# KiCad board SHVC-CPU-01.kicad_pcb (continued)
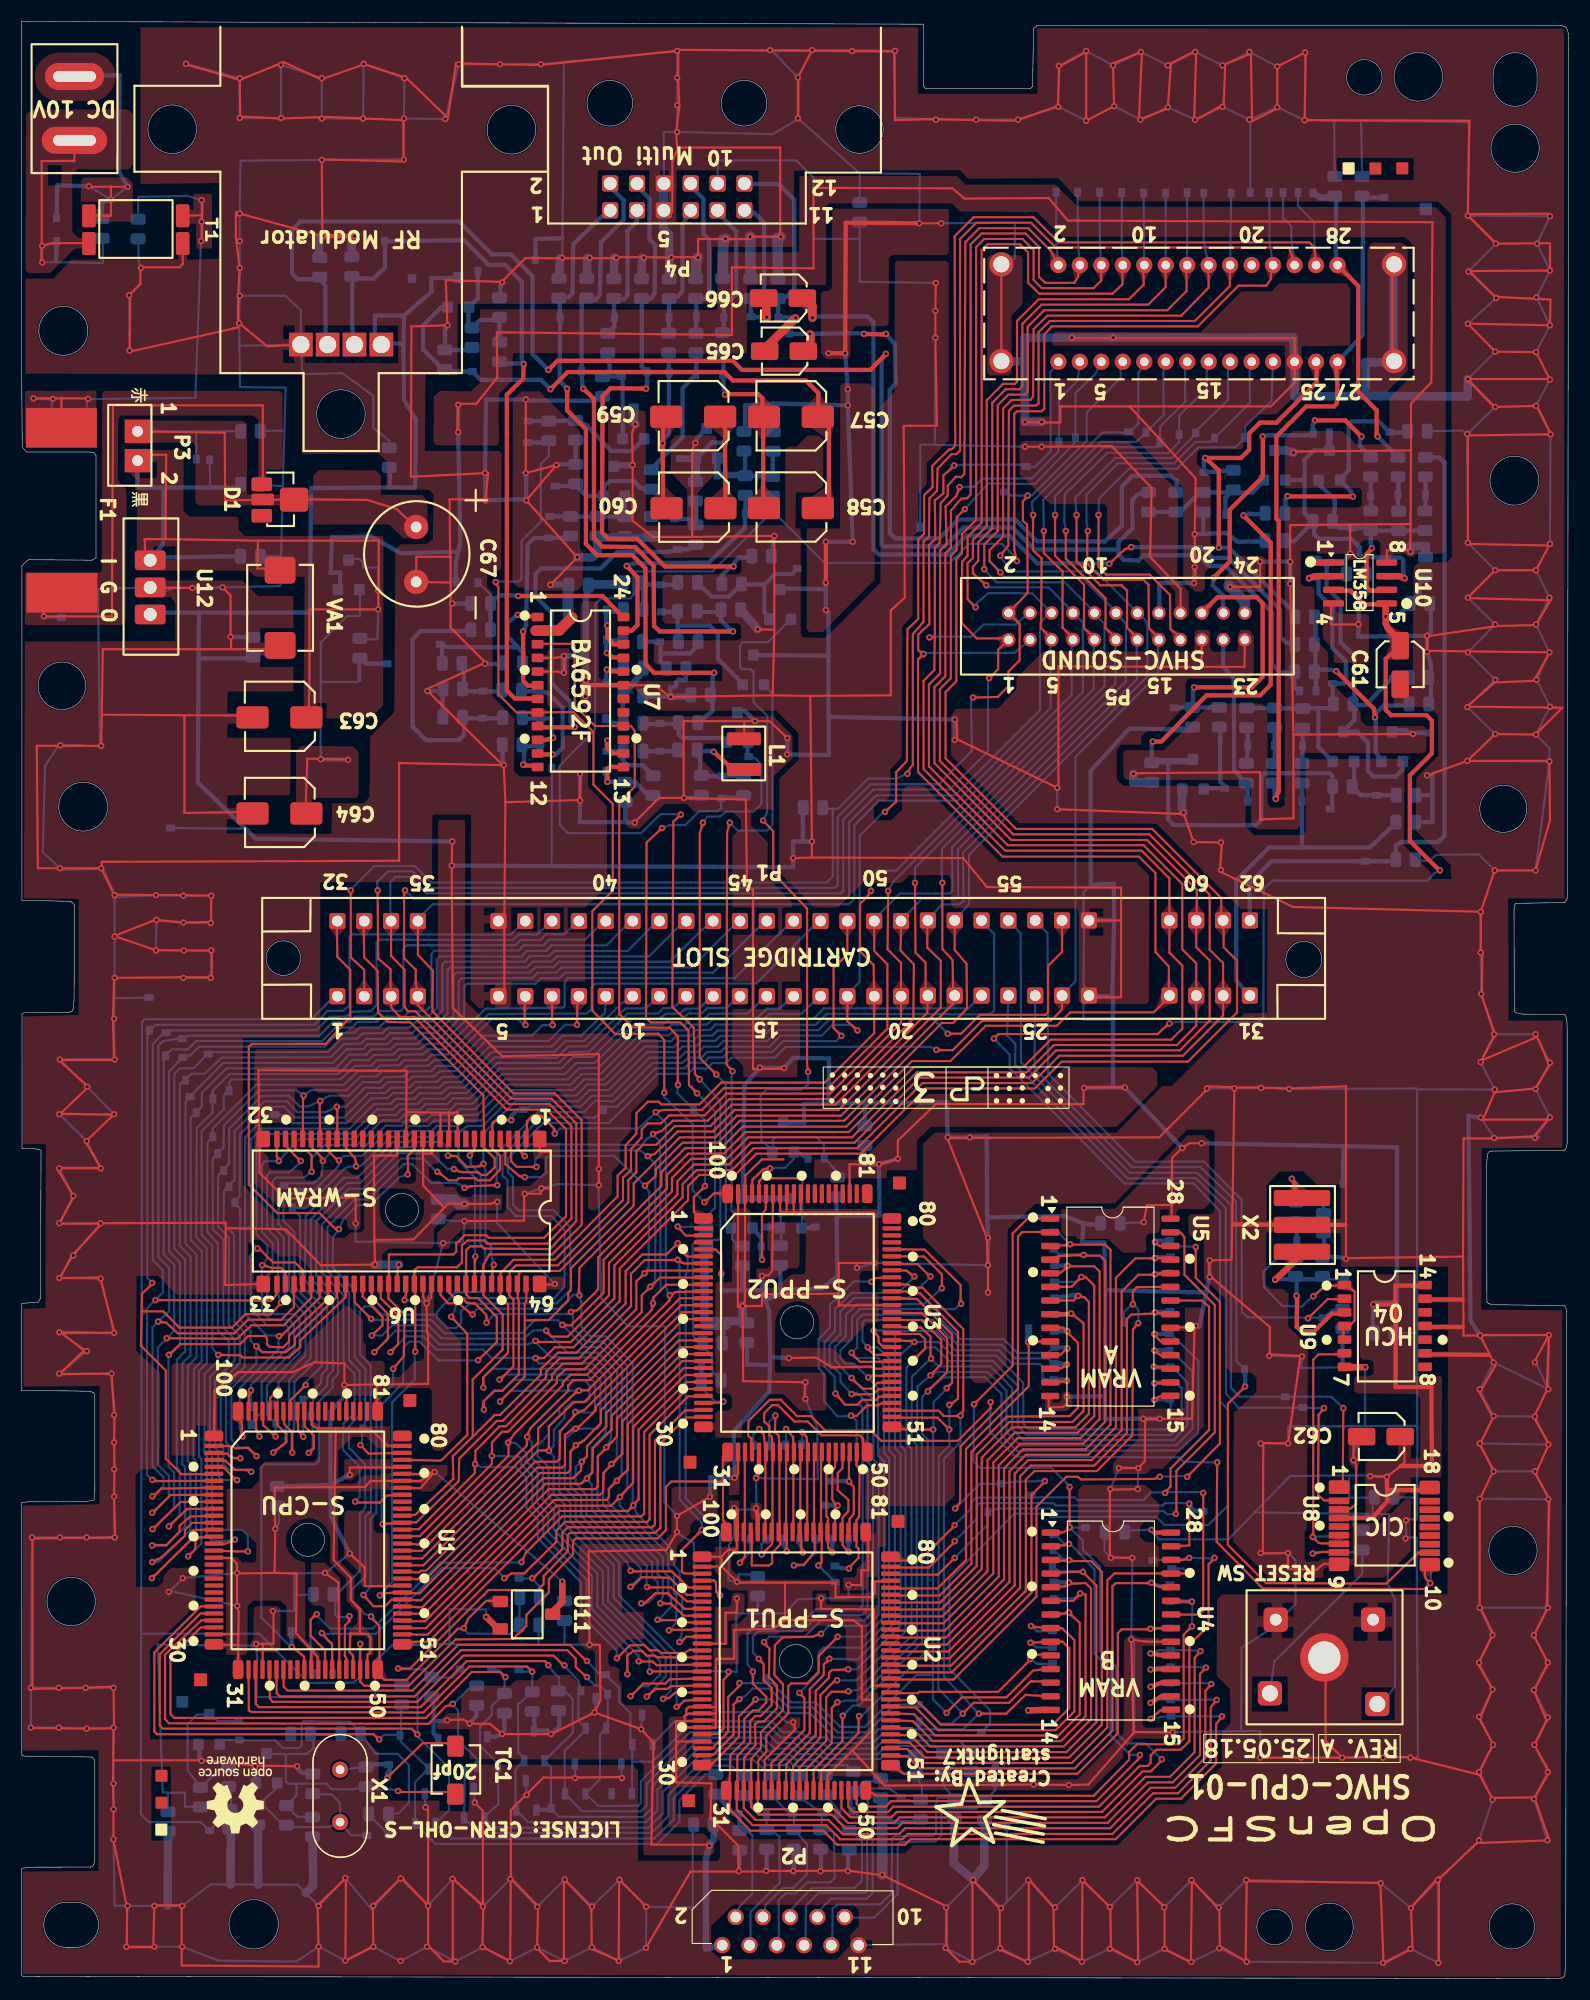
[diagram p0: board, top side]
## Placement (name value [footprint] x y rotation side) (continued)
TP170  TestPoint_Small  [TestPad]  105.41 38.99 0 bottom
TP171  TestPoint_Small  [TestPad]  107.19 38.22 0 bottom
TP172  TestPoint_Small  [TestPad]  107.01 36.72 0 bottom
TP173  TestPoint_Small  [TestPad]  107.06 35.17 0 bottom
TP174  TestPoint_Small  [TestPad]  107.01 32.67 0 bottom
TP175  TestPoint_Small  [TestPad]  107.06 30.62 0 bottom
TP176  TestPoint_Small  [TestPad]  107.06 29.07 0 bottom
TP177  TestPoint_Small  [TestPad]  107.06 27.57 0 bottom
TP178  TestPoint_Small  [TestPad]  107.06 26.02 0 bottom
TP179  TestPoint_Small  [TestPad]  107.11 24.47 0 bottom
TP180  TestPoint_Small  [TestPad]  99.16 42.03 0 bottom
TP181  TestPoint_Small  [TestPad]  96.13 41.38 270 bottom
TP182  TestPoint_Small  [TestPad]  96.13 39.88 270 bottom
TP183  TestPoint_Small  [TestPad]  96.08 38.33 270 bottom
TP184  TestPoint_Small  [TestPad]  96.21 36.97 0 bottom
TP185  TestPoint_Small  [TestPad]  96.21 35.42 0 bottom
TP186  TestPoint_Small  [TestPad]  96.16 33.92 0 bottom
TP187  TestPoint_Small  [TestPad]  96.06 32.42 0 bottom
TP188  TestPoint_Small  [TestPad]  96.06 30.87 0 bottom
TP189  TestPoint_Small  [TestPad]  96.06 29.37 0 bottom
TP190  TestPoint_Small  [TestPad]  91.28 46.11 0 bottom
TP191  TestPoint_Small  [TestPad]  94.07 45.07 0 bottom
TP192  TestPoint_Small  [TestPad]  90.08 43.4 270 bottom
TP193  TestPoint_Small  [TestPad]  110.08 43.56 0 bottom
TP194  TestPoint_Small  [TestPad]  122.83 39.73 0 bottom
TP195  TestPoint_Small  [TestPad]  122.77 41.22 0 bottom
TP196  TestPoint_Small  [TestPad]  67.93 40.88 270 bottom
TP197  TestPoint_Small  [TestPad]  69.48 40.88 270 bottom
TP198  TestPoint_Small  [TestPad]  70.98 40.88 270 bottom
TP199  TestPoint_Small  [TestPad]  72.53 40.88 270 bottom
TP200  TestPoint_Small  [TestPad]  74.03 40.88 270 bottom
TP201  TestPoint_Small  [TestPad]  75.58 40.88 270 bottom
TP202  TestPoint_Small  [TestPad]  77.08 40.88 270 bottom
TP203  TestPoint_Small  [TestPad]  75.81 38.47 0 bottom
TP204  TestPoint_Small  [TestPad]  75.81 36.97 0 bottom
TP205  TestPoint_Small  [TestPad]  74.86 44.12 0 bottom
TP206  TestPoint_Small  [TestPad]  75.51 46.37 0 bottom
TP207  TestPoint_Small  [TestPad]  77.43 15.56 270 bottom
TP208  TestPoint_Small  [TestPad]  81.98 16.91 0 bottom
TP209  TestPoint_Small  [TestPad]  90.78 19.81 270 bottom
TP210  TestPoint_Small  [TestPad]  90.78 18.21 270 bottom
TP211  TestPoint_Small  [TestPad]  46.38 28.81 0 bottom
TP212  TestPoint_Small  [TestPad]  40.83 28.76 180 bottom
TP213  TestPoint_Small  [TestPad]  46.38 37.31 0 bottom
TP214  TestPoint_Small  [TestPad]  20.28 24.06 0 bottom
TP215  TestPoint_Small  [TestPad]  20.33 22.26 0 bottom
TP216  TestPoint_Small  [TestPad]  89.46 22.97 0 bottom
TP217  TestPoint_Small  [TestPad]  29.03 28.33 270 bottom
TP218  TestPoint_Small  [TestPad]  27.48 28.33 270 bottom
TP219  TestPoint_Small  [TestPad]  25.18 32.28 270 bottom
TP220  TestPoint_Small  [TestPad]  17.88 78.33 270 bottom
TP221  TestPoint_Small  [TestPad]  18.33 76.76 270 bottom
TP222  TestPoint_Small  [TestPad]  18.88 75.18 270 bottom
TP223  TestPoint_Small  [TestPad]  19.38 73.68 270 bottom
TP224  TestPoint_Small  [TestPad]  19.93 72.23 270 bottom
TP225  TestPoint_Small  [TestPad]  23.62 80.49 0 bottom
TP226  TestPoint_Small  [TestPad]  21.4 53.18 270 bottom
TP227  TestPoint_Small  [TestPad]  21.44 51.55 270 bottom
TP228  TestPoint_Small  [TestPad]  23.74 53.38 270 bottom
TP229  TestPoint_Small  [TestPad]  23.76 51.7 270 bottom
TP230  TestPoint_Small  [TestPad]  24.49 73.88 0 bottom
TP231  TestPoint_Small  [TestPad]  25.98 73.35 0 bottom
TP232  TestPoint_Small  [TestPad]  25.27 71.71 270 bottom
TP233  TestPoint_Small  [TestPad]  26.28 53.83 270 bottom
TP234  TestPoint_Small  [TestPad]  27.03 52.35 270 bottom
TP235  TestPoint_Small  [TestPad]  3.33 161.69 270 bottom
TP236  TestPoint_Small  [TestPad]  3.33 163.9 270 bottom
TP237  TestPoint_Small  [TestPad]  16.34 141.43 270 bottom
TP238  TestPoint_Small  [TestPad]  17.59 141.35 270 bottom
TP239  TestPoint_Small  [TestPad]  3.78 126.76 0 bottom
TP240  TestPoint_Small  [TestPad]  83.68 23.86 270 bottom
TP241  TestPoint_Small  [TestPad]  83.58 25.56 0 bottom
TP242  TestPoint_Small  [TestPad]  38.98 124.16 180 bottom
TP243  TestPoint_Small  [TestPad]  13.91 107.17 0 bottom
TP244  TestPoint_Small  [TestPad]  49.46 112.65 270 bottom
TP245  TestPoint_Small  [TestPad]  131.18 38.66 90 bottom
TP246  TestPoint_Small  [TestPad]  69.44 27.9 270 bottom
TP247  TestPoint_Small  [TestPad]  71.53 153.18 0 bottom
TP248  TestPoint_Small  [TestPad]  46.78 80.96 0 bottom
TP249  TestPoint_Small  [TestPad]  54.28 80.86 270 bottom
TP250  TestPoint_Small  [TestPad]  67.48 136.32 270 bottom
TP251  TestPoint_Small  [TestPad]  31.85 51.16 270 bottom
TP252  TestPoint_Small  [TestPad]  83.77 135.09 270 bottom
TP253  TestPoint_Small  [TestPad]  91.83 14.17 270 bottom
U1  S-CPU  [QFP100]  26.9 40.81 0 top
U2  S-PPU1  [QFP100]  72.38 29.56 0 top
U3  S-PPU2  [QFP100]  72.5 61.06 0 top
U4  LH52A256N-10LL  [SRAM]  101.68 33.09 0 top
U5  LH52A256N-10LL  [SRAM]  101.63 62.31 0 top
U6  -  [S-WRAM]  35.8 72.84 0 top
U7  -  [BA6592F]  52.08 119.36 0 top
U8  F411  [CIC_F411]  127.27 42.95 0 top
U9  -  [74HCU04]  126.99 60.84 0 top
U10  LM358  [OpAmp]  124.89 130.17 0 top
U11  T529D  [ResetIC]  47.1 34.56 0 top
U12  L7805  [7805]  12.01 129.99 0 top
U15  Reset Switch  [ResetSW]  121.54 29.8 0 top
VA1  Varistor  [SMD_Varistor]  24.03 127.61 0 top
X1  21.47727Mhz  [Crystal_HC49-4H_Vertical]  29.68 14.56 90 top
X2  4mhz  [SMD_X2]  119.28 70.16 0 top

## Library data of the parts
C1-C56 C68-C70 C80-C96 = -: Description: Unpolarized capacitor; ki_fp_filters: C_*
C57-C67 = -: Description: Polarized capacitor; ki_fp_filters: CP_*
F1 = -: Description: Fuse; ki_fp_filters: *Fuse*
J1 = -: Description: DC Barrel Jack; ki_fp_filters: BarrelJack*
L1 = -: Description: Inductor; ki_fp_filters: Choke_* *Coil* Inductor_* L_*
P3 = -: Description: Generic connector, double row, 02x01, this symbol is compatible with counter-clockwise, top-bottom and odd-even numbering schemes., script generated (kicad-library-utils/schlib/autogen/connector/); ki_fp_filters: Connector*:*_2x??_*
Q1 Q2 Q9-Q18 = -: Description: NPN transistor, emitter/base/collector
Q3-Q8 = -: Description: PNP transistor, base/emitter/collector
R1-R98 R100 = -: Description: Resistor; ki_fp_filters: R_*
T1 = -: Description: Coupled inductor; ki_fp_filters: Choke_* *Coil* Inductor_* L_*
TC1 = -: Description: Trimmable capacitor
TP1-TP253 = -: Description: test point; ki_fp_filters: Pin* Test*
U12 = -: Description: Positive 1.5A 35V Linear Regulator, Fixed Output 5V, TO-220/TO-263/TO-252; ki_fp_filters: TO?252* TO?263* TO?220*
VA1 = -: Description: Voltage dependent resistor; Sim.Name: kicad_builtin_varistor; Sim.Device: SUBCKT; Sim.Pins: 1=A 2=B; Sim.Params: threshold=1k; ki_fp_filters: RV_* Varistor*
X1 = -: Description: Two pin crystal; ki_fp_filters: Crystal*
X2 = -: Description: Three pin crystal, GND on pin 3; ki_fp_filters: Crystal*

## Footprints (pads in the part's own frame, mm; a bottom-side part is the same pattern mirrored in y, then rotated)
74HCU04
  rrect 1.27x0.8 smd: 1(-3.75,3.717) 2(-3.75,2.447) 3(-3.75,1.177) 4(-3.75,-0.093) 5(-3.75,-1.363) 6(-3.75,-2.633) 7(-3.75,-3.903) 8(3.75,-3.903) 9(3.75,-2.633) 10(3.75,-1.363) 11(3.75,-0.093) 12(3.75,1.177) 13(3.75,2.447) 14(3.75,3.717)
7805
  rrect 2.861x1.826 hole 1.2: 1(-0.018,2.051) 2(-0.018,-0.485) 3(-0.018,-3)
BA6592F
  rrect 1.1x0.8 smd: 1(-4,7.397) 2(-4,6.127) 3(-4,4.857) 4(-4,3.587) 5(-4,2.317) 6(-4,1.047) 7(-4,-0.223) 8(-4,-1.493) 9(-4,-2.763) 10(-4,-4.033) 11(-4,-5.303) 12(-4,-6.573) 13(4,-6.573) 14(4,-5.303) 15(4,-4.033) 16(4,-2.763) 17(4,-1.493) 18(4,-0.223) 19(4,1.047) 20(4,2.317) 21(4,3.587) 22(4,4.857) 23(4,6.127) 24(4,7.397)
CartSlot
  rrect 1.5x1.5 hole 1: 1(-42.5,-3.5) 2(-40,-3.5) 3(-37.5,-3.5) 4(-35,-3.5) 5(-27.5,-3.5) 6(-25,-3.5) 7(-22.5,-3.5) 8(-20,-3.5) 9(-17.5,-3.5) 10(-15,-3.5) 11(-12.5,-3.5) 12(-10,-3.5) 13(-7.5,-3.5) 14(-5,-3.5) 15(-2.5,-3.5) 16(0,-3.5) 17(2.5,-3.5) 18(5,-3.5) 19(7.5,-3.5) 20(10,-3.5) 21(12.501,-3.441) 22(15.001,-3.441) 23(17.501,-3.441) 24(20.001,-3.441) 25(22.501,-3.441) 26(25.001,-3.441) 27(27.501,-3.441) 28(35.001,-3.441) 29(37.501,-3.441) 30(40.001,-3.441) 31(42.501,-3.441) 32(-42.5,3.5) 33(-40,3.5) 34(-37.5,3.5) 35(-35,3.5) 36(-27.5,3.5) 37(-25,3.5) 38(-22.5,3.5) 39(-20,3.5) 40(-17.5,3.5) 41(-15,3.5) 42(-12.5,3.5) 43(-10,3.5) 44(-7.5,3.5) 45(-5,3.5) 46(-2.5,3.5) 47(0,3.5) 48(2.5,3.5) 49(5,3.5) 50(7.5,3.5) 51(10,3.5) 52(12.501,3.559) 53(15.001,3.559) 54(17.501,3.559) 55(20.001,3.559) 56(22.501,3.559) 57(25.001,3.559) 58(27.501,3.559) 59(35.001,3.559) 60(37.501,3.559) 61(40.001,3.559) 62(42.501,3.559)
CIC_F411
  rrect 1.905x1.27 smd: 1(-4.548,2.793) 9(-4.548,-4.377) 10(3.902,-4.408) 18(3.902,2.762)
  rrect 1.905x0.63 smd: 2(-4.548,1.523) 3(-4.548,0.723) 4(-4.548,-0.077) 5(-4.548,-0.877) 6(-4.548,-1.677) 7(-4.548,-2.477) 8(-4.548,-3.277) 11(3.902,-3.308) 12(3.902,-2.508) 13(3.902,-1.708) 14(3.902,-0.908) 15(3.902,-0.108) 16(3.902,0.692) 17(3.902,1.492)
ControllerRibbon
  round 1.5 hole 1: 1(6.41,1.25) 2(5.164,-1.377) 3(3.87,1.25) 4(2.624,-1.377) 5(1.33,1.25) 6(0.084,-1.377) 7(-1.21,1.25) 8(-2.456,-1.377) 9(-3.75,1.25) 10(-4.996,-1.377) 11(-6.29,1.25)
Crystal_HC49-4H_Vertical
  round 1.5 hole 0.8: 1(0,0) 2(4.88,0)
D1
  rrect 1.905x1.27 smd: 1(-1.757,2.131) 3(-1.757,-0.796)
  rrect 2.097x1.082 smd: 2(-1.661,0.718)
  rrect 2.649x2.232 smd: 4(1.26,0.7)
DA_SOT
  rrect 0.603x1.059 smd: 1(0.906,-1.362) 2(-0.983,-1.362) 3(0,1.396)
DCJack
  oval 5.5x2.5 hole 4x1: 1(-0.25,3.25)
  oval 6.091x2.5 hole 4x1: 2(-0.25,-2.695)
ExpansionConnector
  round 1.5 hole 0.8: 1(-13.591,-4.365) 2(-13.591,4.635) 3(-11.591,-4.365) 4(-11.591,4.635) 5(-9.591,-4.365) 6(-9.591,4.635) 7(-7.591,-4.365) 8(-7.591,4.635) 9(-5.591,-4.365) 10(-5.591,4.635) 11(-3.591,-4.365) 12(-3.591,4.635) 13(-1.591,-4.365) 14(-1.591,4.635) 15(0.409,-4.365) 16(0.409,4.635) 17(2.409,-4.365) 18(2.409,4.635) 19(4.409,-4.365) 20(4.409,4.635) 21(6.409,-4.365) 22(6.409,4.635) 23(8.409,-4.365) 24(8.409,4.635) 25(10.409,-4.365) 26(10.409,4.635) 27(12.409,-4.365) 28(12.409,4.635)
  round 2.25 hole 1.5: 29(-18.904,4.707) 30(17.68,4.707) 31(17.68,-4.313) 32(-18.904,-4.313)
FilterCap
  round 2.25 hole 1: 1(-0.061,2.598) 2(-0.061,-2.517)
Fuse
  rect 6.607x3.699 smd: 1(-0.054,7.349) 2(0,-8.015)
L1
  rrect 3.182x1.206 smd: 1(-0.091,1.103) 2(-0.091,-1.75)
MultiOut
  rrect 1.5x1.5 hole 1.2: 1(-5.721,-7.769) 2(-5.721,-5.269) 3(-3.221,-7.769) 4(-3.221,-5.269) 5(-0.721,-7.769) 6(-0.721,-5.269) 7(1.779,-7.769) 8(1.779,-5.269) 9(4.279,-7.769) 10(4.279,-5.269) 11(6.779,-7.769) 12(6.779,-5.269)
OpAmp
  rrect 1.95x0.6 smd: 1(-2.675,1.655) 2(-2.675,0.385) 3(-2.675,-0.885) 4(-2.675,-2.155) 5(2.275,-2.155) 6(2.275,-0.885) 7(2.275,0.385) 8(2.275,1.655)
PowerSwitchConnector
  rect 2.377x2.166 hole 1: 1(0.313,1.945) 2(0.313,-0.78)
Q_SOT_NPM_BEC
  rrect 1x1.059 smd: 1(-1,-1.362) 2(1,-1.362) 3(0,1.396)
Q_SOT_NPM_BEC_Alt
  rrect 1x1.059 smd: 1(1,-1.362) 2(-1,-1.362) 3(0,1.396)
Q_SOT_PNP_EBC
  rrect 1x1.059 smd: 1(1,-1.362) 2(-1,-1.362) 3(0,1.396)
QFP100
  rrect 1.75x1 smd: 1(-8.975,9.7) 30(-8.975,-9.7) 51(8.575,-9.7) 80(8.575,9.7)
  rrect 1.75x0.4 smd: 2(-8.975,8.775) 3(-8.975,8.125) 4(-8.975,7.475) 5(-8.975,6.825) 6(-8.975,6.175) 7(-8.975,5.525) 8(-8.975,4.875) 9(-8.975,4.225) 10(-8.975,3.575) 11(-8.975,2.925) 12(-8.975,2.275) 13(-8.975,1.625) 14(-8.975,0.975) 15(-8.975,0.325) 16(-8.975,-0.325) 17(-8.975,-0.975) 18(-8.975,-1.625) 19(-8.975,-2.275) 20(-8.975,-2.925) 21(-8.975,-3.575) 22(-8.975,-4.225) 23(-8.975,-4.875) 24(-8.975,-5.525) 25(-8.975,-6.175) 26(-8.975,-6.825) 27(-8.975,-7.475) 28(-8.975,-8.125) 29(-8.975,-8.775) 52(8.575,-8.775) 53(8.575,-8.125) 54(8.575,-7.475) 55(8.575,-6.825) 56(8.575,-6.175) 57(8.575,-5.525) 58(8.575,-4.875) 59(8.575,-4.225) 60(8.575,-3.575) 61(8.575,-2.925) 62(8.575,-2.275) 63(8.575,-1.625) 64(8.575,-0.975) 65(8.575,-0.325) 66(8.575,0.325) 67(8.575,0.975) 68(8.575,1.625) 69(8.575,2.275) 70(8.575,2.925) 71(8.575,3.575) 72(8.575,4.225) 73(8.575,4.875) 74(8.575,5.525) 75(8.575,6.175) 76(8.575,6.825) 77(8.575,7.475) 78(8.575,8.125) 79(8.575,8.775)
  rrect 1x1.75 smd: 31(-6.725,-12.05) 50(6.275,-12.05) 81(6.275,12) 100(-6.725,12)
  rrect 0.4x1.75 smd: 32(-5.75,-12.05) 33(-5.1,-12.05) 34(-4.45,-12.05) 35(-3.8,-12.05) 36(-3.15,-12.05) 37(-2.5,-12.05) 38(-1.85,-12.05) 39(-1.2,-12.05) 40(-0.55,-12.05) 41(0.1,-12.05) 42(0.75,-12.05) 43(1.4,-12.05) 44(2.05,-12.05) 45(2.7,-12.05) 46(3.35,-12.05) 47(4,-12.05) 48(4.65,-12.05) 49(5.3,-12.05) 82(5.3,12) 83(4.65,12) 84(4,12) 85(3.35,12) 86(2.7,12) 87(2.05,12) 88(1.4,12) 89(0.75,12) 90(0.1,12) 91(-0.55,12) 92(-1.2,12) 93(-1.85,12) 94(-2.5,12) 95(-3.15,12) 96(-3.8,12) 97(-4.45,12) 98(-5.1,12) 99(-5.75,12)
ResetIC
  rrect 1.439x1.067 smd: 1(-2.49,0.543) 2(-2.5,-2) 3(2.376,-0.644)
ResetSW
  rrect 2.25x2.25 hole 1.1: 1(-4.711,3.611) 2(4.359,3.611)
  rrect 2.25x2.25 hole 1.5: 3(4.75,-4.25) 4(-5.25,-3.25)
  round 4.5 hole 3: 5(-0.178,0.085)
RFOutput
  rect 2.2x2.2 hole 1.6: 1(-3.758,-9.843) 2(-1.258,-9.843) 3(1.242,-9.843) 4(3.742,-9.843)
S-WRAM
  rrect 1.27x1.548 smd: 1(12.462,5.326) 32(-13.278,5.326) 33(-13.278,-8.174) 64(12.462,-8.174)
  rrect 0.5x1.548 smd: 2(11.192,5.326) 3(10.392,5.326) 4(9.592,5.326) 5(8.792,5.326) 6(7.992,5.326) 7(7.192,5.326) 8(6.392,5.326) 9(5.592,5.326) 10(4.792,5.326) 11(3.992,5.326) 12(3.192,5.326) 13(2.392,5.326) 14(1.592,5.326) 15(0.792,5.326) 16(-0.008,5.326) 17(-0.808,5.326) 18(-1.608,5.326) 19(-2.408,5.326) 20(-3.208,5.326) 21(-4.008,5.326) 22(-4.808,5.326) 23(-5.608,5.326) 24(-6.408,5.326) 25(-7.208,5.326) 26(-8.008,5.326) 27(-8.808,5.326) 28(-9.608,5.326) 29(-10.408,5.326) 30(-11.208,5.326) 31(-12.008,5.326) 34(-12.008,-8.174) 35(-11.208,-8.174) 36(-10.408,-8.174) 37(-9.608,-8.174) 38(-8.808,-8.174) 39(-8.008,-8.174) 40(-7.208,-8.174) 41(-6.408,-8.174) 42(-5.608,-8.174) 43(-4.808,-8.174) 44(-4.008,-8.174) 45(-3.208,-8.174) 46(-2.408,-8.174) 47(-1.608,-8.174) 48(-0.808,-8.174) 49(-0.008,-8.174) 50(0.792,-8.174) 51(1.592,-8.174) 52(2.392,-8.174) 53(3.192,-8.174) 54(3.992,-8.174) 55(4.792,-8.174) 56(5.592,-8.174) 57(6.392,-8.174) 58(7.192,-8.174) 59(7.992,-8.174) 60(8.792,-8.174) 61(9.592,-8.174) 62(10.392,-8.174) 63(11.192,-8.174)
SHVC-SOUND-MB
  round 1.25 hole 0.8: 1(-9.81,-0.76) 2(-9.81,1.74) 3(-7.81,-0.76) 4(-7.81,1.74) 5(-5.81,-0.76) 6(-5.81,1.74) 7(-3.81,-0.76) 8(-3.81,1.74) 9(-1.81,-0.76) 10(-1.81,1.74) 11(0.19,-0.76) 12(0.19,1.74) 13(2.19,-0.76) 14(2.19,1.74) 15(4.19,-0.76) 16(4.19,1.74) 17(6.19,-0.76) 18(6.19,1.74) 19(8.19,-0.76) 20(8.19,1.74) 21(10.19,-0.76) 22(10.19,1.74) 23(12.19,-0.76) 24(12.19,1.74)
SMD-Cap-M
  rrect 3.001x2.077 smd: 1(2.198,0.639) 2(-2.82,0.639)
SMD-Cap-S
  rrect 2.561x1.628 smd: 1(1.871,0.051) 2(-1.72,0.051)
SMD_0805
  rrect 1.025x1.4 smd: 1(-0.912,0) 2(0.912,0)
SMD_Varistor
  rrect 2.875x2.5 smd: 1(0.062,3.5) 2(0.062,-3.5)
SMD_X2
  rrect 5.25x1.5 smd: 1(0,-2.5) 2(0,2.5) 3(0,0)
SRAM
  rrect 1.7x0.6 smd: 1(-5.8,8.425) 2(-5.8,7.155) 3(-5.8,5.885) 4(-5.8,4.615) 5(-5.8,3.345) 6(-5.8,2.075) 7(-5.8,0.805) 8(-5.8,-0.465) 9(-5.8,-1.735) 10(-5.8,-3.005) 11(-5.8,-4.277) 12(-5.8,-5.545) 13(-5.8,-6.815) 14(-5.8,-8.085) 15(5.4,-8.057) 16(5.4,-6.815) 17(5.4,-5.545) 18(5.4,-4.277) 19(5.4,-3.005) 20(5.4,-1.735) 21(5.4,-0.465) 22(5.4,0.805) 23(5.4,2.075) 24(5.4,3.345) 25(5.4,4.615) 26(5.4,5.885) 27(5.4,7.155) 28(5.4,8.425)
T1
  rrect 1.271x2.142 smd: 1(-4.619,1.167) 2(-4.619,-1.411) 3(4.117,1.167) 4(4.117,-1.411)
TestPad
  rrect 0.839x0.657 smd: 1(-0.033,0.056)
TrimmerCap
  rrect 1.542x1.966 smd: 1(-0.052,2.171) 2(-0.058,-2.297)

## Nets
+5V: C29.2 C62.1 C81.1 C82.1 C83.1 C84.1 C85.2 C86.1 C87.1 C88.2 C89.2 C90.1 C91.2 C92.2 C93.1 C94.2 C95.2 C96.1 DA6.3 DA7.3 DA8.3 DA9.3 DA10.3 P1.27 P1.58 P2.1 P4.10 P5.18 P6.20 P7.4 Q9.3 Q10.3 Q11.3 Q12.3 R3.2 R5.2 R7.1 R9.2 R11.1 R12.1 R14.1 R16.1 R17.1 R19.1 R21.2 R47.1 R75.2 R77.2 R78.1 R79.1 R80.1 R81.1 R82.1 R92.1 R97.1 TP146.1 TP243.1 TP244.1 TP252.1 U1.1 U1.34 U1.45 U1.59 U1.76 U1.81 U1.85 U2.13 U2.26 U2.36 U2.62 U2.81 U3.5 U3.32 U3.59 U3.83 U3.94 U4.28 U5.28 U6.1 U6.10 U6.11 U6.12 U6.16 U6.32 U6.49 U6.51 U6.52 U7.4 U7.5 U7.19 U8.4 U8.18 U9.14 U11.2 U12.3 U15.3
+9V: C80.1 P5.24 Q16.3 Q17.3 Q18.1 R49.1 R50.2 TP64.1 TP71.1 U10.8
+9VF: C32.2 C67.1 D1.2 D1.4 P3.1 TP237.1
+9VS: C33.2 C34.2 C63.1 P3.2 Q18.3 R76.2 TP238.1 U12.1 VA1.1
+10V: C31.1 F1.1 T1.3
+10VF: D1.1 F1.2 TP239.1
GND: C1.1 C3.2 C5.2 C10.1 C11.1 C12.2 C13.2 C15.2 C17.1 C19.2 C21.1 C22.1 C31.2 C32.1 C33.1 C34.1 C35.2 C36.2 C37.2 C38.2 C39.2 C40.2 C41.2 C42.2 C43.2 C44.1 C45.1 C46.1 C47.1 C48.1 C49.1 C50.1 C51.1 C52.1 C53.1 C54.1 C55.2 C56.1 C61.2 C63.2 C64.2 C67.2 C68.2 C69.1 C70.2 C80.2 C81.2 C82.2 C83.2 C84.2 C85.1 C86.2 C87.2 C88.1 C89.1 C90.2 C91.1 C92.1 C93.2 C94.1 C95.1 C96.2 DA1.3 DA2.3 DA3.3 DA4.3 DA5.3 L1.1 P1.5 P1.36 P2.11 P4.5 P4.6 P5.16 P5.19 P5.23 P6.23 P6.29 P6.30 P6.31 P6.32 P7.1 Q1.2 Q2.2 Q3.3 Q4.3 Q5.3 Q6.3 Q7.3 Q8.3 Q13.1 R2.2 R23.2 R24.2 R26.2 R31.1 R32.1 R34.2 R36.2 R39.1 R41.2 R44.2 R45.1 R51.1 R57.1 R58.2 R64.1 R65.1 R93.1 R94.1 R95.2 R96.2 T1.4 TP45.1 TP98.1 TP156.1 TP253.1 U1.18 U1.29 U1.30 U1.31 U1.41 U1.42 U1.47 U1.49 U1.73 U1.74 U1.75 U1.79 U1.90 U2.1 U2.2 U2.22 U2.23 U2.24 U2.25 U2.27 U2.45 U2.77 U2.96 U2.99 U3.16 U3.30 U3.35 U3.68 U3.90 U3.91 U3.92 U3.93 U3.98 U3.99 U4.14 U4.20 U5.14 U5.20 U6.13 U6.14 U6.17 U6.33 U6.48 U6.64 U7.2 U8.9 U9.7 U9.9 U9.11 U9.13 U10.4 U11.3 U12.2 U15.1 U15.2 U15.5 VA1.2 X2.3
A1: R72.2 R73.1 TP144.1 U9.1 U9.4 U9.5
A2: C56.2 R72.1 TP143.1 U9.3 X2.1
AB: C8.2 TP42.1 U7.22
AG: C7.2 TP41.1 U7.21
AR: C6.2 TP32.1 U7.20
AUD: C22.2 P7.2 R68.1 R71.2 TP67.1
B: C47.2 P4.4 R18.2 R19.2 TP22.1
BLA: R26.1 TP60.1 U7.12
BURST: TP120.1 U3.1 U7.3 U7.16
BY.I: C14.1 TP59.1 U7.10
BY.O: R34.1 R35.1 TP61.1 U7.24
C: C49.2 P4.8 R46.1 TP20.1
C57+: C57.1 C58.1 Q10.1 R32.2 TP53.1
C57-: C57.2 C58.2 R33.2 TP47.1
C59+: C59.1 C60.1 Q11.1 R40.1 TP40.1
C59-: C59.2 C60.2 R42.2 TP49.1
C61: C61.1 DA6.2 R50.1 R51.2 TP216.1 U10.3 U10.5
C62: C62.2 TP150.1 U8.3
C65: C65.1 R67.1 TP247.1
C66: C66.1 R70.2 TP97.1
C68: C68.1 P6.22 R98.2 R100.2 TP155.1
C69: C69.2 R29.1 TP25.1 U3.3
C.A0: P1.17 TP232.1 U1.93 U6.23
C.A1: P1.16 TP231.1 U1.94 U6.25
C.A2: P1.15 TP230.1 U1.95 U6.27
C.A3: P1.14 TP228.1 U1.96 U6.29
C.A4: P1.13 TP229.1 U1.97 U6.31
C.A5: P1.12 TP227.1 U1.98 U6.35
C.A6: P1.11 TP226.1 U1.99 U6.37
C.A7: P1.10 TP225.1 U1.100 U6.39
C.A8: P1.9 TP224.1 U1.2 U6.41
C.A9: P1.8 TP223.1 U1.3 U6.24
C.A10: P1.7 TP222.1 U1.4 U6.26
C.A11: P1.6 TP221.1 U1.5 U6.28
C.A12: P1.37 TP99.1 U1.6 U6.30
C.A13: P1.38 TP100.1 U1.7 U6.34
C.A14: P1.39 TP101.1 U1.8 U6.36
C.A15: P1.40 TP102.1 U1.9 U6.38
C.A16: P1.41 TP103.1 U1.10 U6.40
C.A17: P1.42 TP104.1 U1.11
C.A18: P1.43 TP105.1 U1.12
C.A19: P1.44 TP106.1 U1.13
C.A20: P1.45 TP107.1 U1.14
C.A21: P1.46 TP108.1 U1.15
C.A22: P1.47 TP109.1 U1.16 U6.42
C.A23: P1.48 TP220.1 U1.17
C.CLK: C70.1 P1.56 TP142.1 U9.2
C.D0: P1.19 P5.7 P6.11 TP89.1 U1.60 U2.21 U3.15 U6.60
C.D1: P1.20 P5.8 P6.12 TP160.1 U1.61 U2.20 U3.14 U6.61
C.D2: P1.21 P5.9 P6.13 TP88.1 U1.62 U2.19 U3.13 U6.62
C.D3: P1.22 P5.10 P6.14 TP159.1 U1.63 U2.18 U3.12 U6.63
C.D4: P1.50 P5.11 P6.15 TP87.1 U1.64 U2.17 U3.11 U6.2
C.D5: P1.51 P5.12 P6.16 TP158.1 U1.65 U2.16 U3.10 U6.3
C.D6: P1.52 P5.13 P6.17 TP86.1 U1.66 U2.15 U3.9 U6.4
C.D7: P1.53 P5.14 P6.18 TP157.1 U1.67 U2.14 U3.8 U6.5
C.RD: P1.23 TP233.1 U1.92 U6.57
C.RW: P1.54 TP234.1 U1.91 U6.59
CHR.0: TP205.1 U2.85 U3.46
CHR.1: TP202.1 U2.84 U3.47
CHR.2: TP206.1 U2.83 U3.48
CHR.3: TP203.1 U2.82 U3.49
CI.D1: P1.24 TP147.1 U8.2
CI.D2: P1.55 TP148.1 U8.1
CI.RST: P1.25 TP149.1 U8.11
CLK: TP195.1 U8.7 U9.6
CLR0: TP199.1 U2.90 U3.41
CLR1: TP114.1 U2.89 U3.42
CLR2: TP200.1 U2.88 U3.43
CO: R43.2 TP63.1 U7.6
COMP: C50.2 P4.9 R33.1 TP19.1
CS: C46.2 P4.3 R25.1 TP31.1
CSYNC: R22.2 TP51.1 U3.100 U7.8
DC+: C30.1 J1.1 T1.1 TP236.1
DC-: C30.2 J1.2 T1.2 TP235.1
DCK: P5.17 P6.21 TP83.1
EXP: P1.2 P6.24 R97.2 TP154.1
EXT0: TP246.1 U2.28 U3.51 U3.69 U4.11
EXT1: TP241.1 U2.29 U3.52 U3.70 U4.12
EXT3: TP179.1 U2.31 U3.54 U3.72 U4.15
EXT4: TP178.1 U2.32 U3.55 U3.73 U4.16
EXT5: TP177.1 U2.33 U3.56 U3.74 U4.17
EXT6: TP176.1 U2.34 U3.57 U3.75 U4.18
EXT7: TP175.1 U2.35 U3.58 U3.76 U4.19
FIELD: TP111.1 U2.95 U3.36
G: C45.2 P4.2 R13.1 R14.2 TP43.1
HBLANK: TP218.1 U1.43 U3.25
HCLD: TP198.1 U2.92 U3.39
II1: Q15.1 R60.2 R61.2 R62.2 R63.2 TP69.1 U10.2
II2: Q14.1 R53.1 R54.1 R55.1 R56.2 TP96.1 U10.6
IRQ: P1.18 P6.26 R92.2 TP153.1 U1.46
J1.D0: DA3.1 DA8.1 R81.2 R87.1 TP211.1 U1.32
J1.D1: DA3.2 DA8.2 R82.2 R88.1 TP15.1 U1.33
J1.OE: DA2.1 DA7.1 R89.1 TP12.1 U1.35
J2.D0: DA4.1 DA9.1 R79.2 R85.1 TP10.1 U1.27
J2.D1: DA4.2 DA9.2 R80.2 R86.1 TP16.1 U1.28
J2.OE: DA2.2 DA7.2 R90.1 TP11.1 U1.36
J.D6: DA5.1 DA10.1 R77.1 R83.1 TP17.1 U1.25
J.D7: DA5.2 DA10.2 R78.2 R84.1 TP212.1 U1.26 U3.29
L1: C11.2 L1.2 R28.1 R29.2 TP24.1
LA: C51.2 C66.2 P4.11 TP18.1
MONO: P6.25 R66.1 R69.2 TP84.1
MUTE: P5.20 R47.2 R48.2 TP66.1
OUT0: DA1.2 DA6.1 R91.1 TP14.1 U1.37
OUT1: Q15.3 Q17.2 R63.1 R64.2 TP70.1 U10.1
OUT2: Q14.3 Q16.2 R56.1 R57.2 TP81.1 U10.7
OV: TP197.1 U2.94 U3.37 U3.50
P.CI: TP112.1 U2.93 U2.97 U3.38
P.CO: R98.1 TP117.1 U3.27
P.RESO: TP245.1 U3.34 U8.10
P.RST: TP196.1 U2.98 U3.33
PA0: P1.28 P5.3 P6.1 TP169.1 U1.51 U2.12 U3.24 U6.53
PA1: P1.59 P5.4 P6.2 TP165.1 U1.52 U2.11 U3.23 U6.54
PA2: P1.29 P6.3 TP168.1 U1.53 U2.10 U3.22 U6.43
PA3: P1.60 P6.4 TP164.1 U1.54 U2.9 U3.21 U6.44
PA4: P1.30 P6.5 TP167.1 U1.55 U2.8 U3.20 U6.45
PA5: P1.61 P6.6 TP163.1 U1.56 U2.7 U3.19 U6.46
PA6: P1.3 P5.2 P6.7 TP166.1 U1.57 U2.6 U3.18 U6.47
PA7: P1.34 P5.1 P6.8 TP162.1 U1.58 U2.5 U3.17 U6.50
PHI2: P1.57 TP248.1 U1.72 U6.6
PPU.B: Q7.2 TP119.1 U3.97
PPU.G: Q5.2 TP110.1 U3.96
PPU.R: Q3.2 TP116.1 U3.95
PRD: P1.4 P5.6 P6.10 TP161.1 U1.68 U2.3 U3.7 U6.56
PRI.0: TP204.1 U2.87 U3.44
PRI.1: TP201.1 U2.86 U3.45
PWR: P1.35 P5.5 P6.9 TP90.1 U1.69 U2.4 U3.6 U6.58
Q13: Q13.3 R49.2 R52.1 R59.1 TP74.1
Q14: C53.2 Q14.2 R52.2 TP91.1
Q18: C64.1 Q18.2 R76.1 TP65.1
R: C44.2 P4.1 R8.1 R9.1 TP44.1
R7: Q3.1 Q4.2 R7.2 TP33.1
R12: Q5.1 Q6.2 R12.2 TP115.1
R17: Q7.1 Q8.2 R17.2 TP118.1
R71: Q17.1 R65.2 R69.1 R70.1 R71.1 TP68.1
R73: C55.1 R73.2 TP145.1 X2.2
RA: C52.2 C65.2 P4.12 TP13.1
REFRESH: P1.33 TP219.1 U1.40 U6.7
RES.SW: C29.1 TP194.1 U8.8 U15.4
RESET: P1.26 P5.15 P6.19 R74.1 R75.1 TP85.1 U1.50 U6.8 U11.1
RESOUT: R74.2 TP213.1 U3.28
ROMSEL: P1.49 TP249.1 U1.77
RY.I: C16.1 TP58.1 U7.11
RY.O: R36.1 R37.2 TP242.1 U7.1
SCLK: C5.1 P1.1 R6.2 TP3.1 U1.48 U2.100 U3.31
SL.EXP: C27.1 P6.27 R94.2 TP151.1
SL.IN: C28.1 P1.31 R96.1 TP80.1
SL.SS: C26.1 P5.21 TP79.1
SR.EXP: C24.1 P6.28 R93.2 TP152.1
SR.IN: C25.1 P1.62 R95.1 TP73.1
SR.SS: C23.1 P5.22 TP82.1
TC.1: C2.1 TC1.1 TP4.1 X1.2
TC.2: C2.2 C3.1 C4.2 Q1.3 R1.1 R3.1 R4.2 TC1.2 TP2.1
VA.WR: TP192.1 U2.78 U5.27
VAA0: TP135.1 U2.76 U5.10
VAA1: TP127.1 U2.75 U5.9
VAA2: TP126.1 U2.74 U5.8
VAA3: TP125.1 U2.73 U5.7
VAA4: TP124.1 U2.72 U5.6
VAA5: TP123.1 U2.71 U5.5
VAA6: TP122.1 U2.70 U5.4
VAA7: TP121.1 U2.69 U5.3
VAA8: TP133.1 U2.68 U5.25
VAA9: TP134.1 U2.67 U5.24
VAA10: TP136.1 U2.66 U5.21
VAA11: TP131.1 U2.65 U5.23
VAA12: TP190.1 U2.64 U5.2
VAA13: TP132.1 U2.63 U5.26
VAA14: TP180.1 U2.47 U4.1 U5.1
VAB0: TP189.1 U2.61 U4.10
VAB1: TP188.1 U2.60 U4.9
VAB2: TP187.1 U2.59 U4.8
VAB3: TP186.1 U2.58 U4.7
VAB4: TP185.1 U2.57 U4.6
VAB5: TP184.1 U2.56 U4.5
VAB6: TP183.1 U2.55 U4.4
VAB7: TP182.1 U2.54 U4.3
VAB8: TP171.1 U2.53 U4.25
VAB9: TP172.1 U2.52 U4.24
VAB10: TP174.1 U2.51 U4.21
VAB11: TP173.1 U2.50 U4.23
VAB12: TP181.1 U2.49 U4.2
VAB13: TP170.1 U2.48 U4.26
VB: C9.2 R27.2 TP27.1 U7.14
VB.WR: TP193.1 U2.79 U4.27
VBLANK: TP217.1 U1.44 U3.26
VC: C10.2 R27.1 TP26.1 U7.13
VCLD: TP113.1 U2.91 U3.40
VDA0: TP128.1 U2.37 U3.60 U5.11
VDA1: TP129.1 U2.38 U3.61 U5.12
VDA2: TP130.1 U2.39 U3.62 U5.13
VDA3: TP141.1 U2.40 U3.63 U5.15
VDA4: TP140.1 U2.41 U3.64 U5.16
VDA5: TP139.1 U2.42 U3.65 U5.17
VDA6: TP138.1 U2.43 U3.66 U5.18
VDA7: TP137.1 U2.44 U3.67 U5.19
VDB2: TP240.1 U2.30 U3.53 U3.71 U4.13
VID: C21.2 P7.3 R30.2 TP54.1 U7.7
VRD: TP191.1 U2.80 U4.22 U5.22
WRAM: P1.32 TP251.1 U1.78 U6.15
Y: C48.2 P4.7 R42.1 TP21.1
YI: C18.2 TP38.1 U7.9
YO: R38.2 TP250.1 U7.23
Net-(C6-Pad1): C6.1 R10.2 R11.2 TP30.1
Net-(C7-Pad1): C7.1 R15.1 R16.2 TP36.1
Net-(C8-Pad1): C8.1 R20.2 R21.1 TP34.1
Net-(C9-Pad1): C9.1 R28.2 TP28.1
Net-(C13-Pad1): C13.1 C14.2 R35.2 TP56.1
Net-(C15-Pad1): C15.1 C16.2 R37.1 TP57.1
Net-(C18-Pad1): C18.1 R40.2 R41.1 TP39.1
Net-(C20-Pad1): C20.1 R46.2 TP48.1
Net-(C23-Pad2): C23.2 R53.2 TP94.1
Net-(C24-Pad2): C24.2 R54.2 TP92.1
Net-(C25-Pad2): C25.2 R55.2 TP93.1
Net-(C26-Pad2): C26.2 R60.1 TP78.1
Net-(C27-Pad2): C27.2 R61.1 TP77.1
Net-(C28-Pad2): C28.2 R62.1 TP76.1
Net-(C35-Pad1): C35.1 P2.2 R83.2 TP6.1
Net-(C36-Pad1): C36.1 P2.3 R84.2 TP5.1
Net-(C37-Pad1): C37.1 P2.4 R85.2 TP7.1
Net-(C38-Pad1): C38.1 P2.5 R86.2 TP8.1
Net-(C39-Pad1): C39.1 P2.6 R87.2 TP9.1
Net-(C40-Pad1): C40.1 P2.7 R88.2 TP207.1
Net-(C41-Pad1): C41.1 P2.8 R89.2 TP208.1
Net-(C42-Pad1): C42.1 P2.9 R90.2 TP209.1
Net-(C43-Pad1): C43.1 P2.10 R91.2 TP210.1
Net-(Q1-B): C1.2 Q1.1 R1.2 R2.1 TP1.1 X1.1
Net-(Q2-B): C4.1 Q2.1 R4.1 TP215.1
Net-(Q2-C): Q2.3 R5.1 R6.1 TP214.1
Net-(Q4-C): Q4.1 R8.2 R10.1 TP29.1
Net-(Q6-C): Q6.1 R13.2 R15.2 TP35.1
Net-(Q8-C): Q8.1 R18.1 R20.1 TP37.1
Net-(Q9-B): Q9.2 R22.1 R23.1 TP50.1
Net-(Q9-E): Q9.1 R24.1 R25.2 TP23.1
Net-(Q10-B): C12.1 Q10.2 R30.1 R31.2 TP55.1
Net-(Q11-B): C17.2 Q11.2 R38.1 R39.2 R100.1 TP46.1
Net-(Q12-B): C19.1 Q12.2 R43.1 R44.1 TP62.1
Net-(Q12-E): C20.2 Q12.1 R45.2 TP52.1
Net-(Q13-B): Q13.2 R48.1 TP75.1
Net-(Q15-B): C54.2 Q15.2 R59.2 TP72.1
Net-(Q16-E): Q16.1 R58.1 R66.2 R67.2 R68.2 TP95.1

Pads without a net: D1 3; DA1 1; U1 19 20 21 22 23 24 38 39 70 71 80 82 83 84 86 87 88 89; U2 46; U3 2 4 77 78 79 80 81 82 84 85 86 87 88 89; U6 9 18 19 20 21 22 55; U7 15 17 18; U8 5 6 12 13 14 15 16 17; U9 8 10 12

## Via types
v1: diameter 0.6, hole 0.3, Top to Bottom, 900 vias

## Routing (per net, layer and track width the routed paths; a pad name or vN(x,y) marks a point on that pad's centre or on a via; arc(x,y) is an arc through that point)
+5V: length 1425
  Top w0.2: 73.48,119.41 v1(73.63,105.86) 73.63,104.36 ; 73.48,119.41 80.98,119.46 80.98,127.36 82.28,128.56 82.18,144.56 85.28,144.56 v1(85.13,152.76) v1(85.13,155.26) v1(85.18,157.86) ; 73.48,119.41 69.98,119.46 ; 79.83,75.76 77.13,75.81 U3.83 ; v1(53.38,24.76) v1(49.33,22.75) v1(44.78,22.76) 43.63,23.71 v1(41.74,23.73) 41.18,24.11 39.78,24.07 ; v1(53.38,24.76) 53.93,25.91 53.88,31.06 52.93,31.06 ; v1(53.38,24.76) v1(57.72,23.21) 58.88,21.96 58.68,12.46 63.98,12.46 ; C62.1 128.83,50.05 128.83,48.06 128.48,47.71 v1(127.18,46.71) v1(125.63,46.76) ; P5.18 107.98,129.36 105.13,132.36 105.28,138.76 101.58,142.66 95.08,142.61 93.63,142.61 ; U3.59 80.08,56.76 79.48,56.76 79.18,56.96 75.48,56.91 73.98,57.81 v1(71.48,57.76) ; v1(61.06,43.07) v1(64.12,44.84) ; 33.08,55.3 33.09,55.28 33.09,52.89 U1.81 ; 33.08,55.3 37.88,55.36 37.88,59.86 37.78,60.26 v1(37.73,62.86) ; 33.08,55.3 v1(30.08,55.26) ; 70.13,125.56 v1(70.13,134.31) 62.48,134.21 ; 70.13,125.56 69.98,119.46 ; 70.13,125.56 v1(68.58,125.61) ; 37.78,62.91 38.18,63.41 38.21,64.91 ; 102.43,98.51 P1.58 ; 102.43,98.51 102.43,101.56 89.93,101.61 87.73,104.31 73.63,104.36 ; 102.43,98.51 102.43,91.36 99.33,91.31 ; 73.63,104.36 v1(71.88,104.31) ; 63.53,22.74 64.88,22.76 65.39,23.27 65.39,27.81 65.88,28.3 v1(65.88,28.56) ; 50.48,121.56 50.03,121.66 U7.5 ; 21.98,31.16 21.97,31.15 v1(21.86,31.15) 22.48,31.16 ; v1(52.92,31.08) 52.83,39.76 60.08,39.91 61.08,41.56 61.03,43.01 ; 107.13,70.74 107.14,72.01 ; 107.14,72.01 104.83,72.01 v1(104.53,70.41) ; 107.14,72.01 107.18,76.41 v1(108.13,77.31) 108.78,77.76 v1(109.93,77.76) ; v1(28.28,37.76) 29.53,36.86 U1.45 ; v1(66.42,46.61) 66.75,46.94 U3.32 ; v1(57.18,144.71) 56.88,143.91 v1(56.93,140.91) 56.93,135.71 58.83,134.21 62.48,134.21 ; v1(30.08,55.26) 30.28,54.66 30.28,53.56 U1.85 ; v1(30.08,55.26) 30.08,57.26 27.28,57.36 25.28,56.46 20.18,56.46 17.98,54.76 U1.1 ; 35.81,64.91 35.83,63.76 35.68,63.26 ; v1(65.18,65.61) 65.18,67.36 64.68,67.86 U3.5 ; v1(30.58,39.56) 31.98,38.26 31.98,36.53 35.42,36.53 U1.59 ; 62.48,134.21 62.48,142.36 v1(62.78,142.96) ; 66.68,35.26 66.63,35.22 66.63,34.06 65.58,34.06 65.58,31.16 63.53,31.19 ; 22.48,31.16 23.48,31.16 23.48,34.14 v1(23.41,34.2) ; 22.48,31.16 U1.34 ; 69.13,65.46 69.58,65.46 69.93,65.86 U3.94 ; v1(30.59,46.89) 30.58,47.58 35.42,47.58 35.48,47.64 ; U7.19 58.93,120.41 v1(60.48,119.31) 69.98,119.46 ; 40.63,78.46 40.63,80.61 39.83,80.61 ; v1(53.78,73.86) v1(53.78,75.36) 53.78,86.06 44.78,85.86 40.18,90.36 v1(40.08,103.61) v1(40.13,105.86) ; 35.85,80.66 35.83,78.06 ; 35.85,80.66 39.03,80.61 ; 35.85,80.66 35.88,84.51 22.08,84.56 22.13,78.96 ; 39.03,80.61 39.03,78.21 ; 39.03,80.61 39.83,80.61 ; 31.13,70.46 31.13,72.71 24.58,72.61 22.18,75.01 22.18,77.81 U6.32 ; v1(79.88,75.81) v1(81.63,76.31) 81.63,78.01 85.18,81.41 98.93,81.41 98.93,82.96 102.73,82.96 102.78,82.91 ; U2.36 69.23,20.36 72.08,23.21 v1(71.88,23.86) ; v1(77.04,36.65) 78.23,36.61 78.23,38.01 78.88,38.01 78.88,41.28 ; 81.08,27.29 79.33,27.26 79.43,34.36 74.48,34.41 74.48,35.39 v1(74.49,35.4) ; 39.83,80.61 39.83,78.46 ; U7.4 49.83,122.96 50.58,123.11 v1(50.53,121.56) ; 48.28,78.41 48.28,76.96 49.28,76.96 49.28,73.56 48.38,73.56 48.38,73.06 46.83,73.06 46.83,70.56 v1(41.28,70.51) ; 37.41,64.91 37.43,63.41 37.73,62.96
  Top w0.4: U8.18 130.94,45.48 127.24,45.48 127.2,45.51 ; 107.13,41.52 105.51,41.52 v1(105.26,41.77) ; 122.38,42.86 125.88,42.91 127.23,44.46 127.2,45.51 ; v1(127.98,62.76) 128,62.74 128,55.06 131.33,55.06 131.38,47.71 128.48,47.71 ; v1(127.98,62.76) v1(125.93,62.76) ; v1(127.98,62.76) 127.98,64.51 130.83,64.51 ; U7.19 52.53,120.41 52.48,120.86 52.48,119.36 ; v1(127.18,46.71) 127.2,45.51
  Top w0.6: U11.2 44.4,32.56 43.29,33.66 v1(43.28,33.66)
  Bottom w0.2: 13.58,17.31 13.65,17.23 13.65,15.53 C82.1 ; 13.58,17.31 13.88,17.29 15.23,17.31 15.23,16.01 R5.2 ; 13.58,17.31 13.15,17.34 12.68,31.09 21.93,30.99 21.9,26.21 32.95,26.14 32.96,27.36 ; 68.58,33.96 68.58,35.41 ; 68.58,33.96 66.58,34.01 ; 68.58,33.96 71.13,34.01 72.3,35.29 v1(74.49,35.4) 77.03,35.41 v1(77.04,36.65) ; 78.08,161.96 78.08,163.52 C88.2 ; 78.08,161.96 73.78,161.96 73.78,167.66 72.18,169.26 64.88,169.26 P4.10 ; 78.08,161.96 78.08,157.96 v1(85.18,157.86) ; TP243.1 20.86,107.05 ; 71.85,23.84 71.28,23.84 70.23,24.84 65.05,24.79 64.95,28.61 ; 127.2,46.71 125.45,46.84 118.18,46.79 114.87,43.39 ; 125.88,43.26 125.86,43.27 125.86,44.65 C85.2 125.97,44.76 123.68,44.76 123.68,46.86 ; 125.88,43.26 127.4,43.24 127.25,36.76 127.93,35.34 127.95,27.24 127.31,26.33 ; 125.88,43.26 114.87,43.39 ; v1(39.28,68.46) 31.13,68.61 v1(31.13,70.31) ; v1(39.28,68.46) 41.13,68.61 v1(41.28,70.51) 39.98,70.54 C95.2 ; v1(39.28,68.46) 37.8,63.01 35.73,63.16 ; 39.88,31.14 34.5,31.01 32.98,29.56 32.96,27.36 ; 39.88,31.14 48.18,31.1 ; 39.88,31.14 39.88,34.39 43.28,34.36 v1(43.28,33.66) ; TP252.1 83.73,142.81 85.08,142.78 ; 48.18,31.1 50.58,31.09 ; 48.18,31.1 R75.2 ; 32.96,27.36 R77.2 ; 64.95,28.61 v1(65.88,28.56) 66.63,28.56 66.58,34.01 ; 64.95,28.61 62.9,28.64 62.63,40.54 61.05,41.49 61.05,43.09 59.88,44.36 59.95,60.71 56.5,60.71 54,63.34 53.75,73.69 53.78,73.71 53.78,75.14 53.83,75.19 ; v1(53.78,73.86) 49.93,73.96 v1(48.43,73.56) v1(46.88,73.06) ; DA7.3 v1(53.38,24.76) ; 66.58,34.01 66.73,35.19 ; 104.36,70.25 v1(104.53,70.41) C94.2 102.4,70.25 ; 85.08,142.78 v1(93.48,142.61) ; 85.08,142.78 v1(85.13,152.76) ; v1(30.58,39.56) 28.33,37.76 25.43,37.71 25.38,35.66 ; 124.08,43.26 124.08,42.26 C29.2 ; 114.87,43.39 112.43,40.89 105.95,40.89 v1(105.26,41.77) 102.63,41.71 ; 99.6,101.81 98.93,101.11 98.93,99.31 P1.58 98.98,97.86 98.93,92.51 P1.27 98.93,90.76 98.93,89.24 101.55,89.24 101.68,89.36 ; v1(52.92,31.08) 50.58,31.09 ; 50.58,31.09 C89.2 ; 25.38,35.66 25.38,34.21 23.38,34.21 ; 25.38,35.66 R92.1 ; TP244.1 49.38,103.57 ; C81.1 21.08,122.86 ; DA6.3 v1(57.72,23.21)
  Bottom w0.4: 16.53,127.16 12.43,127.16 ; 16.53,127.16 26.88,127.16 26.98,138.76 34.33,138.81 ; 16.53,127.16 16.5,122.96 ; TP146.1 123.08,75.66 123.18,77.49 ; DA10.3 38.38,22.85 38.38,23.96 ; 35.63,154.81 32.93,154.81 32.93,152.61 ; 35.63,154.81 35.58,152.21 ; 35.63,154.81 38.18,157.01 38.18,158.31 40.43,158.31 40.55,158.14 ; 75.9,72.56 75.93,71.44 75.93,71.04 ; 69.75,57.86 69.65,62.14 69.27,63.19 ; 69.75,57.86 69.73,57.11 ; 69.75,57.86 v1(71.48,57.76) ; 107.53,116.3 103.18,116.36 99.58,112.41 99.6,101.81 101.75,101.94 101.78,98.51 ; 55.22,140.82 Q12.3 ; 35.58,152.21 33.53,152.21 ; 35.58,152.21 35.63,146.96 36.73,145.16 36.68,138.81 34.33,138.81 ; v1(79.88,75.81) 79.93,71.04 75.93,71.04 ; v1(79.88,75.81) 78.53,75.81 78.53,77.31 ; v1(79.88,75.81) v1(81.63,76.31) ; 69.73,57.11 69.65,54.64 66.35,50.91 v1(66.42,46.61) 64.15,46.66 64.15,44.71 ; 69.73,57.11 67.58,57.16 C92.2 ; 28.78,45.96 28.83,42.96 v1(30.58,39.56) ; 28.78,45.96 30.58,46.91 ; 28.78,45.96 C90.1 ; 28.78,45.96 28.78,52.76 30.03,54.16 30.08,55.11 ; 62.18,119.41 R9.2 61.88,119.36 61.85,119.33 ; 60.5,119.33 v1(60.48,119.31) ; v1(60.48,119.31) 60.43,120.21 60.83,120.21 61,120.39 61,120.71 61.2,120.91 61.23,120.91 61.24,120.9 61.89,120.9 R16.1 ; v1(60.48,119.31) 60.44,119.34 57.93,119.34 R11.1 ; 47.77,23.08 47.77,24.67 R81.1 47.73,24.71 ; 70.68,63.72 71.93,64.19 74.48,64.19 76,65.39 75.93,71.04 ; 70.68,63.72 R12.1 ; 70.68,63.72 69.27,63.19 ; v1(98.98,82.91) v1(102.78,82.96) v1(108.13,77.31) ; R82.1 50.1,24.85 50.1,23.47 49.38,22.75 v1(49.33,22.75) 48.99,23.09 47.78,23.09 ; 34.33,138.81 34.33,139.66 34.33,140.55 ; 67.13,64.09 68.95,64.06 ; 67.13,64.09 67.1,65.51 R7.1 ; 67.13,64.09 65.18,64.04 v1(65.18,65.61) ; 68.95,64.06 69.27,63.19 ; 68.95,64.06 v1(68.98,65.41) ; 123.18,77.49 v1(109.93,77.76) ; 123.18,77.49 128.13,77.39 128.13,62.96 126.13,62.96 v1(125.93,62.76) 125.88,61.09 C86.1 ; 38.38,23.96 38.39,23.97 39.58,23.97 v1(39.66,24.05) ; 38.38,23.96 38.39,23.97 38.39,26.06 R78.1 ; 16.5,122.96 16.43,111.36 21.83,106.11 40.03,105.86 ; 16.5,122.96 16.55,122.91 21.45,122.91 C81.1 ; 101.6,91.44 P1.27 ; 101.6,91.44 101.68,91.36 101.68,83.09 101.65,83.06 ; 101.6,91.44 101.78,98.51 ; R97.1 72.78,107.91 72.78,105.86 ; 101.78,98.51 P1.58 ; R80.1 44.98,23.19 v1(44.78,22.76) 44.13,22.51 DA9.3 ; R79.1 42.38,24.46 v1(41.74,23.73) ; v1(70.13,134.31) 69.98,133.84 70,133.21 ; 56.83,140.81 v1(56.93,140.91) ; v1(62.78,142.96) 62.93,143.41 Q11.3 ; 72.78,105.86 v1(73.63,105.86) ; 72.78,105.86 71.88,105.86 v1(71.88,104.31) 71.88,103.46 v1(40.08,103.61) ; 63.4,143.96 63.83,144.31
  Bottom w0.6: Q12.3 55.28,140.88 56.89,140.88 v1(56.93,140.91) ; v1(52.53,119.36) v1(52.58,120.86) 52.58,123.26 ; 52.58,123.26 52.58,128.46 C84.1 ; 52.58,123.26 v1(50.53,123.11) v1(50.53,121.56) ; P2.1 63.75,2.79 63.75,11.16 v1(64.08,12.36) 64.08,12.49 64.48,12.89 64.48,14.31 ; 61.85,119.33 60.5,119.33 ; 107.53,116.3 109,116.28
  Bottom w0.8: v1(68.58,125.61) R14.1 ; C84.1 52.89,129.79 55.24,129.79 55.28,129.76 R21.2 ; v1(57.18,144.71) 57.01,144.88 57.01,146.1 Q9.3
  vias: v1(35.68,63.16) v1(61.06,41.56) v1(66.63,35.38) v1(95.03,142.61)
